# Altium PCB PCB1.PcbDoc (part 2 of 2)
Units mil, origin at the board's own origin, x right, y up, seen from the top; angles counter-clockwise.
Board outline 2012 x 1904 mil, 2 copper layers (Top Layer, Bottom Layer); 232 components, 45 nets, 892 pads, 160 vias.
Unrouted connection lines stored in the file: 3.
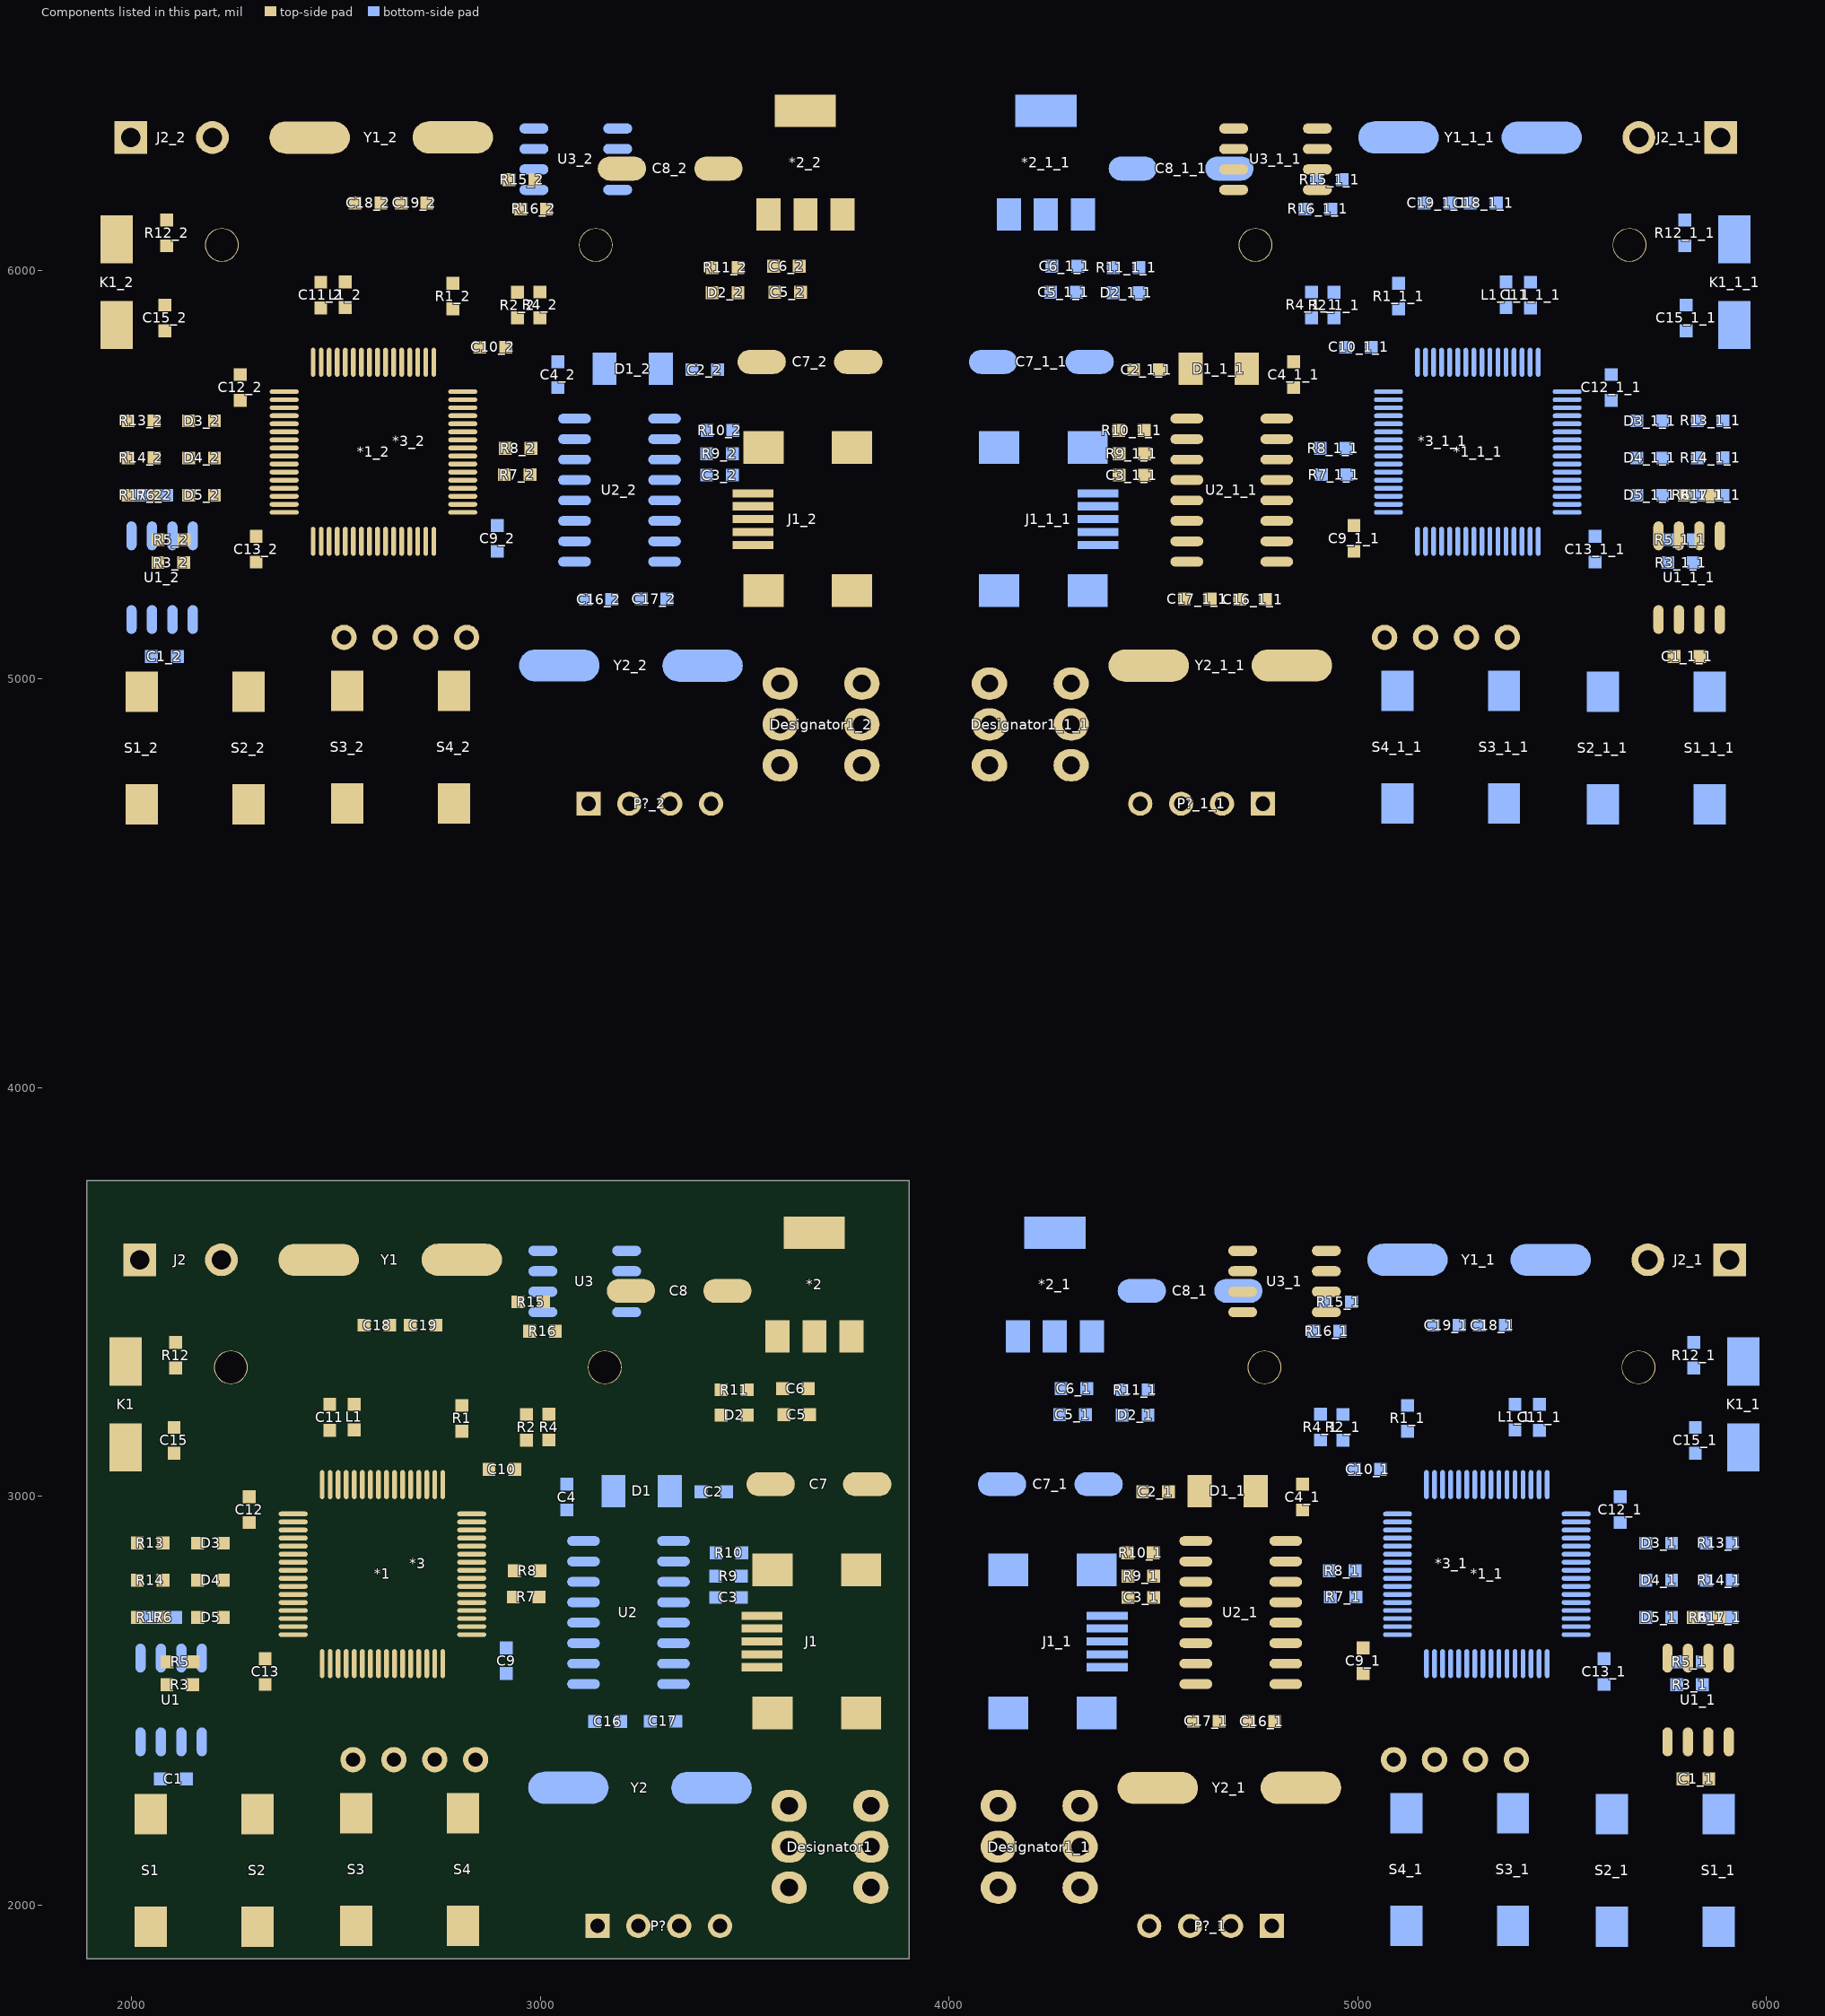
[diagram p2: the components of this part, seen from the top]

## Via types
v1: diameter 39.37, hole 17.72, Top Layer to Bottom Layer, 152 vias
v2: diameter 50, hole 19.68, Top Layer to Bottom Layer, 8 vias

## Nets (pads, with @x,y where several pads share a name; then routed paths per layer and width w, separated by ;. In a path a pad name is that pad's centre, name@x,y a point inside that pad or via, vN(x,y) a via of type N, cw(c..) or ccw(c..) an arc to the next point about the centre after c; other vN are vias at no path point) (continued)
pads on no net: *1.8 *1.9 *1.10 *1.11 *1.14 *1.15 *1.16 *1.17 *1.20 *1.21 *1.22 *1.23 *1.27 *1.29 *1.30 *1.37 *1.38 *1.41 *1.50 *1.51 *1.52 *1.53 *1.54 *1.57 *1.58 *1.59 *1.61 *1.62 *1_1.1 *1_1.2 *1_1.3 *1_1.4 *1_1.5 *1_1.6 *1_1.7 *1_1.8 *1_1.9 *1_1.10 *1_1.11 *1_1.12 *1_1.13 *1_1.14 *1_1.15 *1_1.16 *1_1.17 *1_1.18 *1_1.19 *1_1.20 *1_1.21 *1_1.22 *1_1.23 *1_1.24 *1_1.25 *1_1.26 *1_1.27 *1_1.28 *1_1.29 *1_1.30 *1_1.31 *1_1.32 *1_1.33 *1_1.34 *1_1.35 *1_1.36 *1_1.37 *1_1.38 *1_1.39 *1_1.40 *1_1.41 *1_1.42 *1_1.43 *1_1.44 *1_1.45 *1_1.46 *1_1.47 *1_1.48 *1_1.49 *1_1.50 *1_1.51 *1_1.52 *1_1.53 *1_1.54 *1_1.55 *1_1.56 *1_1.57 *1_1.58 *1_1.59 *1_1.60 *1_1.61 *1_1.62 *1_1.63 *1_1.64 *1_1_1.1 *1_1_1.2 *1_1_1.3 *1_1_1.4 *1_1_1.5 *1_1_1.6 *1_1_1.7 *1_1_1.8 *1_1_1.9 *1_1_1.10 *1_1_1.11 *1_1_1.12 *1_1_1.13 *1_1_1.14 *1_1_1.15 *1_1_1.16 *1_1_1.17 *1_1_1.18 *1_1_1.19 *1_1_1.20 *1_1_1.21 *1_1_1.22 *1_1_1.23 *1_1_1.24 *1_1_1.25 *1_1_1.26 *1_1_1.27 *1_1_1.28 *1_1_1.29 *1_1_1.30 *1_1_1.31 *1_1_1.32 *1_1_1.33 *1_1_1.34 *1_1_1.35 *1_1_1.36 *1_1_1.37 *1_1_1.38 *1_1_1.39 *1_1_1.40 *1_1_1.41 *1_1_1.42 *1_1_1.43 *1_1_1.44 *1_1_1.45 *1_1_1.46 *1_1_1.47 *1_1_1.48 *1_1_1.49 *1_1_1.50 *1_1_1.51 *1_1_1.52 *1_1_1.53 *1_1_1.54 *1_1_1.55 *1_1_1.56 *1_1_1.57 *1_1_1.58 *1_1_1.59 *1_1_1.60 *1_1_1.61 *1_1_1.62 *1_1_1.63 *1_1_1.64 *1_2.1 *1_2.2 *1_2.3 *1_2.4 *1_2.5 *1_2.6 *1_2.7 *1_2.8 *1_2.9 *1_2.10 *1_2.11 *1_2.12 *1_2.13 *1_2.14 *1_2.15 *1_2.16 *1_2.17 *1_2.18 *1_2.19 *1_2.20 *1_2.21 *1_2.22 *1_2.23 *1_2.24 *1_2.25 *1_2.26 *1_2.27 *1_2.28 *1_2.29 *1_2.30 *1_2.31 *1_2.32 *1_2.33 *1_2.34 *1_2.35 *1_2.36 *1_2.37 *1_2.38 *1_2.39 *1_2.40 *1_2.41 *1_2.42 *1_2.43 *1_2.44 *1_2.45 *1_2.46 *1_2.47 *1_2.48 *1_2.49 *1_2.50 *1_2.51 *1_2.52 *1_2.53 *1_2.54 *1_2.55 *1_2.56 *1_2.57 *1_2.58 *1_2.59 *1_2.60 *1_2.61 *1_2.62 *1_2.63 *1_2.64 *2_1.1 *2_1.2 *2_1.3 *2_1_1.1 *2_1_1.2 *2_1_1.3 *2_2.1 *2_2.2 *2_2.3 *3.0 *3_1.0 *3_1.3 *3_1.4 *3_1.5 *3_1.6 *3_1_1.0 *3_1_1.3 *3_1_1.4 *3_1_1.5 *3_1_1.6 *3_2.0 *3_2.3 *3_2.4 *3_2.5 *3_2.6 C1_1.1 C1_1.2 C1_1_1.1 C1_1_1.2 C1_2.1 C1_2.2 C2_1.1 C2_1.2 C2_1_1.1 C2_1_1.2 C2_2.1 C2_2.2 C3_1.1 C3_1.2 C3_1_1.1 C3_1_1.2 C3_2.1 C3_2.2 C4_1.1 C4_1.2 C4_1_1.1 C4_1_1.2 C4_2.1 C4_2.2 C5_1.1 C5_1.2 C5_1_1.1 C5_1_1.2 C5_2.1 C5_2.2 C6_1.1 C6_1.2 C6_1_1.1 C6_1_1.2 C6_2.1 C6_2.2 C7_1.1 C7_1.2 C7_1_1.1 C7_1_1.2 C7_2.1 C7_2.2 C8_1.1 C8_1.2 C8_1_1.1 C8_1_1.2 C8_2.1 C8_2.2 C9_1.1 C9_1.2 C9_1_1.1 C9_1_1.2 C9_2.1 C9_2.2 C10_1.1 C10_1.2 C10_1_1.1 C10_1_1.2 C10_2.1 C10_2.2 C11_1.1 C11_1.2 C11_1_1.1 C11_1_1.2 C11_2.1 C11_2.2 C12_1.1 C12_1.2 C12_1_1.1 C12_1_1.2 C12_2.1 C12_2.2 C13_1.1 C13_1.2 C13_1_1.1 C13_1_1.2 C13_2.1 C13_2.2 C15_1.1 C15_1.2 C15_1_1.1 C15_1_1.2 C15_2.1 C15_2.2 C16_1.1 C16_1.2 C16_1_1.1 C16_1_1.2 C16_2.1 C16_2.2 C17_1.1 C17_1.2 C17_1_1.1 C17_1_1.2 C17_2.1 C17_2.2 C18_1.1 C18_1.2 C18_1_1.1 C18_1_1.2 C18_2.1 C18_2.2 C19_1.1 C19_1.2 C19_1_1.1 C19_1_1.2 C19_2.1 C19_2.2 D1_1.1 D1_1.2 D1_1_1.1 D1_1_1.2 D1_2.1 D1_2.2 D2_1.1 D2_1.2 D2_1_1.1 D2_1_1.2 D2_2.1 D2_2.2 D3_1.1 D3_1.2 D3_1_1.1 D3_1_1.2 D3_2.1 D3_2.2 D4_1.1 D4_1.2 D4_1_1.1 D4_1_1.2 D4_2.1 D4_2.2 D5_1.1 D5_1.2 D5_1_1.1 D5_1_1.2 D5_2.1 D5_2.2 Designator1.3 Designator1.4 Designator1.5 Designator1.6 Designator1_1.1 Designator1_1.2 Designator1_1.3 Designator1_1.4 Designator1_1.5 Designator1_1.6 Designator1_1_1.1 Designator1_1_1.2 Designator1_1_1.3 Designator1_1_1.4 Designator1_1_1.5 Designator1_1_1.6 Designator1_2.1 Designator1_2.2 Designator1_2.3 Designator1_2.4 Designator1_2.5 Designator1_2.6 J1.4 J1.7 J1.8 J1.9 J1_1.1 J1_1.2 J1_1.3 J1_1.4 J1_1.5 J1_1.6 J1_1.7 J1_1.8 J1_1.9 J1_1_1.1 J1_1_1.2 J1_1_1.3 J1_1_1.4 J1_1_1.5 J1_1_1.6 J1_1_1.7 J1_1_1.8 J1_1_1.9 J1_2.1 J1_2.2 J1_2.3 J1_2.4 J1_2.5 J1_2.6 J1_2.7 J1_2.8 J1_2.9 J2_1.1 J2_1.2 J2_1_1.1 J2_1_1.2 J2_2.1 J2_2.2 K1_1.1 K1_1.2 K1_1_1.1 K1_1_1.2 K1_2.1 K1_2.2 L1_1.1 L1_1.2 L1_1_1.1 L1_1_1.2 L1_2.1 L1_2.2 P?_1.1 P?_1.2 P?_1.3 P?_1.4 P?_1_1.1 P?_1_1.2 P?_1_1.3 P?_1_1.4 P?_2.1 P?_2.2 P?_2.3 P?_2.4 R1_1.1 R1_1.2 R1_1_1.1 R1_1_1.2 R1_2.1 R1_2.2 R2_1.1 R2_1.2 R2_1_1.1 R2_1_1.2 R2_2.1 R2_2.2 R3_1.1 R3_1.2 R3_1_1.1 R3_1_1.2 R3_2.1 R3_2.2 R4_1.1 R4_1.2 R4_1_1.1 R4_1_1.2 R4_2.1 R4_2.2 R5_1.1 R5_1.2 R5_1_1.1 R5_1_1.2 R5_2.1 R5_2.2 R6_1.1 R6_1.2 R6_1_1.1 R6_1_1.2 R6_2.1 R6_2.2 R7_1.1 R7_1.2 R7_1_1.1 R7_1_1.2 R7_2.1 R7_2.2 R8_1.1 R8_1.2 R8_1_1.1 R8_1_1.2 R8_2.1 R8_2.2 R9_1.1 R9_1.2 R9_1_1.1 R9_1_1.2 R9_2.1 R9_2.2 R10_1.1 R10_1.2 R10_1_1.1 R10_1_1.2 R10_2.1 R10_2.2 R11_1.1 R11_1.2 R11_1_1.1 R11_1_1.2 R11_2.1 R11_2.2 R12_1.1 R12_1.2 R12_1_1.1 R12_1_1.2 R12_2.1 R12_2.2 R13_1.1 R13_1.2 R13_1_1.1 R13_1_1.2 R13_2.1 R13_2.2 R14_1.1 R14_1.2 R14_1_1.1 R14_1_1.2 R14_2.1 R14_2.2 R15_1.1 R15_1.2 R15_1_1.1 R15_1_1.2 R15_2.1 R15_2.2 R16_1.1 R16_1.2 R16_1_1.1 R16_1_1.2 R16_2.1 R16_2.2 R17_1.1 R17_1.2 R17_1_1.1 R17_1_1.2 R17_2.1 R17_2.2 S1_1.1 S1_1.2 S1_1_1.1 S1_1_1.2 S1_2.1 S1_2.2 S2_1.1 S2_1.2 S2_1_1.1 S2_1_1.2 S2_2.1 S2_2.2 S3_1.1 S3_1.2 S3_1_1.1 S3_1_1.2 S3_2.1 S3_2.2 S4_1.1 S4_1.2 S4_1_1.1 S4_1_1.2 S4_2.1 S4_2.2 U1.5 U1_1.1 U1_1.2 U1_1.3 U1_1.4 U1_1.5 U1_1.6 U1_1.7 U1_1.8 U1_1_1.1 U1_1_1.2 U1_1_1.3 U1_1_1.4 U1_1_1.5 U1_1_1.6 U1_1_1.7 U1_1_1.8 U1_2.1 U1_2.2 U1_2.3 U1_2.4 U1_2.5 U1_2.6 U1_2.7 U1_2.8 U2.9 U2.10 U2.11 U2.12 U2.15 U2_1.1 U2_1.2 U2_1.3 U2_1.4 U2_1.5 U2_1.6 U2_1.7 U2_1.8 U2_1.9 U2_1.10 U2_1.11 U2_1.12 U2_1.13 U2_1.14 U2_1.15 U2_1.16 U2_1_1.1 U2_1_1.2 U2_1_1.3 U2_1_1.4 U2_1_1.5 U2_1_1.6 U2_1_1.7 U2_1_1.8 U2_1_1.9 U2_1_1.10 U2_1_1.11 U2_1_1.12 U2_1_1.13 U2_1_1.14 U2_1_1.15 U2_1_1.16 U2_2.1 U2_2.2 U2_2.3 U2_2.4 U2_2.5 U2_2.6 U2_2.7 U2_2.8 U2_2.9 U2_2.10 U2_2.11 U2_2.12 U2_2.13 U2_2.14 U2_2.15 U2_2.16 U3_1.1 U3_1.2 U3_1.3 U3_1.4 U3_1.5 U3_1.6 U3_1.7 U3_1.8 U3_1_1.1 U3_1_1.2 U3_1_1.3 U3_1_1.4 U3_1_1.5 U3_1_1.6 U3_1_1.7 U3_1_1.8 U3_2.1 U3_2.2 U3_2.3 U3_2.4 U3_2.5 U3_2.6 U3_2.7 U3_2.8 Y1_1.1 Y1_1.2 Y1_1_1.1 Y1_1_1.2 Y1_2.1 Y1_2.2 Y2_1.1 Y2_1.2 Y2_1_1.1 Y2_1_1.2 Y2_2.1 Y2_2.2
copper on no net: | length 129779.4
  Top Layer w0: 4581.4,5436.4 4582,5437 ; 4603.4,2690.4 4604,2691
  Top Layer w10: 5836,5145.64 5836.99,5144.65 ; 5858,2399.64 5858.99,2398.65
  Top Layer w12: 2025,4969 2146,4969 2226,5049 2313,5049 2389,5125 2389,5179.54 2444.36,5234.9 2444.36,5337 ; 2062.01,5352 2109.01,5399 2208,5399 2295.6,5486.6 2373.5,5486.6 ; 2092,6007 2227,6007 2230,6010 2601,6010 2621.53,5989.47 2621.53,5775 ; 2127.5,5285 2203,5285 v1(2207,5289) 2302.01,5289 2305,5286.01 2373.5,5354.5 2373.5,5407.86 ; 2128.5,5341 2297,5341 2305,5349 2298,5356 2298,5413 2312.55,5427.55 2373.5,5427.55 ; 2202.99,5449.8 2279.16,5525.97 2373.5,5525.97 ; 2202.99,5540.8 2207.85,5545.66 2373.5,5545.66 ; 2202.99,5631.8 2269.45,5565.34 2373.5,5565.34 ; 2254,5347 v1(2254,5376) ; v1(2264,5785) 2266,5783 2266,5744.99 2266,5742 2324.55,5683.45 2373.5,5683.45 ; 2266,5682 2284.23,5663.77 2373.5,5663.77 ; 2286,4969 2411,5094 2411,5170.43 2461.73,5221.16 ; 2463,5908.01 2503.42,5867.59 2503.42,5775 ; 2464.05,5224.05 2464.05,5337 ; 2481.42,5209.73 2481.42,5207.42 2433,5159 2433,5043 2505,4971 2528,4971 ; 2483.73,5209.73 2483.73,5337 ; 2503.42,5337 2503.42,5189.42 2458,5144 2458,5057 2470,5045 2715,5045 2789,4971 ; 2520,5102 2562.47,5144.47 2562.47,5337 ; 2522.5,5971 2523.2,5971.7 ; 2523.1,5775 2523.1,5908.61 2523.2,5908.7 ; 2547.01,6165 2641.21,6070.8 2641.21,5775 ; 2582.16,5337 2582.16,5139.84 2620,5102 ; 2621.53,5337 2621.53,5177.47 2641,5158 2894,5158 3280,5544 v1(3365,5544) ; 2641.21,5337 2641.21,5189.79 2652,5179 2887,5179 3337,5629 v1(3337,5687) ; 2660.9,5337 2660.9,5232.1 2675,5218 v1(2676,5218) ; 2660.9,5775 2660.9,6057.9 2723,6120 2723,6165 ; 2680.58,5337 2680.58,5274.42 2728,5227 v1(2728,5217) ; 2680.58,5775 2680.58,6047.58 2857,6224 v1(2857,6241) ; 2700.27,5337 2700.27,5278.73 2722,5257 2756,5257 v1@2798.5,5214.5 ; 2700.27,5775 2700.27,6013.27 v1(2881,6194) 2909,6222 2923.5,6222 ; 2719.95,5337 2719.95,5285.05 2730,5275 v1@2827,5275 ; 2719.95,5775 2719.95,5979.95 2887,6147 v1(2908,6147) 2911,6150 2952.01,6150 ; 2739.64,5337 2739.64,5307.36 2746,5301 2811,5301 v1@2830,5320 ; 2739.64,5775 2739.64,5864.64 2778,5903 ; 2810.5,5407.86 2829.14,5407.86 2874,5363 2874,5229 2861,5216 v1(2859,5218) ; 2810.5,5525.97 2859.03,5525.97 2889,5496 2906,5496 ; 2810.5,5545.66 2897.66,5545.66 2905.44,5553.44 ; 2810.5,5624.4 2959.4,5624.4 2998.5,5663.5 2998.5,5883.5 ; 2810.5,5683.45 2899.95,5683.45 2907.5,5691 2907.5,5815 ; 2810.5,5703.14 2856.64,5703.14 2871,5717.5 2871,5798 2861,5808 ; 2986.5,6222 2986.5,6178.5 3015,6150 ; 4568,4695 4568,4756 4776,4964 4938,4964 4982,5008 4982,5173 v1(5027,5218) ; 4590,1949 4590,2010 4798,2218 4960,2218 5004,2262 5004,2427 v1(5049,2472) ; 4668,4695 4668,4760 4852,4944 4953,4944 5007,4998 5007,5124 v1(5101,5218) ; 4690,1949 4690,2014 4874,2198 4975,2198 5029,2252 5029,2378 v1(5123,2472) ; 4802,5487 v1@4875,5487 ; 4802,5537 4860,5537 v1@4870,5547 ; 4824,2741 v1@4897,2741 ; 4824,2791 4882,2791 v1@4892,2801 ; 4901.36,6197 4951,6197 4978,6170 v1(4978,6147) ; 4901.36,6247 4962,6247 5005,6204 v1(5005,6194) ; 4901.36,6297 4982,6297 v1@5033.5,6245.5 ; 4923.36,3451 4973,3451 5000,3424 v1(5000,3401) ; 4923.36,3501 4984,3501 5027,3458 v1(5027,3448) ; 4923.36,3551 5004,3551 v1@5055.5,3499.5 ; 4991,5375.5 5039.5,5327 v1(5050,5327) ; 5013,2629.5 5061.5,2581 v1(5072,2581) ; v1(5158,5217) 5192,5183 5727,5183 5736,5174 5736,5145.64 ; v1(5180,2471) 5214,2437 5749,2437 5758,2428 5758,2399.64 ; v1(5210,5218) 5859,5218 5886,5191 5886,5145.64 ; v1(5232,2472) 5881,2472 5908,2445 5908,2399.64
  Top Layer w20: 1964,6076 2036.5,6003.5 2084,6003.5 2084,5990 ; 2054.99,5449.7 2139.9,5449.7 2140,5449.8 ; 2054.99,5541 2139.8,5541 2140,5540.8 ; 2054.99,5632 2139.8,5632 2140,5631.8 ; 2061.01,5298 2062.01,5299 2062.01,5352 ; 2082,5723 2083,5724 ; 2082,5914.99 2084,5916.99 2084,5990 ; 2086,6060.01 2086,5992 2084,5990 ; v1(2399,5963) 2407,5971 2463,5971 2522.5,5971 ; 2435.8,6324.83 2547.01,6213.63 2547.01,6165 ; 2723,6165 2723,6261.97 2786.2,6325.17 ; 2850,5968.5 2852.5,5965.99 2852.5,5816 ; 2944.2,5883.5 2998.5,5883.5 ; v1(3097,5707) 3130,5740 3409,5740 v1(3447,5702) ; v1(3385.5,5439.3) 3396.72,5439.3 3444.83,5391.2 3520.87,5391.2 ; v1(3385.6,5380.4) 3399.5,5380.4 3420.2,5359.7 3520.87,5359.7 ; 3406,5272 3406,5318 3560,5318 ; 3637,5946 3642.45,5951.45 3739.55,5951.45 3739.55,6137.23 ; 3680,5377 3680,5728 3725,5773 3816.11,5773 ; 3745,5946 3764,5946 ; v1(4205,5638) 4269,5702 v1(4439,5702) ; v1(4227,2892) 4291,2956 v1(4461,2956) ; 4416,5551 4415,5552 4415,5608 4415,5668 4452,5705 4452,5757 ; 4438,2805 4437,2806 4437,2862 4437,2922 4474,2959 4474,3011 ; 4477.99,5608 4477.99,5661.79 4500.6,5684.4 v1@4549,5684.4 ; 4479,5499 4518.5,5499 4530.5,5487 4582,5487 ; 4478.99,5551 v1@4502.8,5551 ; 4488.8,5032.83 4576,5120.03 4576,5196 4576,5281 4582,5287 ; v1@4491.6,5437 4582,5437 ; 4499.99,2862 4499.99,2915.79 4522.6,2938.4 v1@4571,2938.4 ; v1(4500.4,5380.4) 4499.7,5380.4 4493.1,5387 4582,5387 ; 4501,2753 4540.5,2753 4552.5,2741 4604,2741 ; 4500.99,2805 v1@4524.8,2805 ; 4510.8,2286.83 4598,2374.03 4598,2450 4598,2535 4604,2541 ; v1@4513.6,2691 4604,2691 ; v1@4517,5537 4582,5537 ; v1(4522.4,2634.4) 4521.7,2634.4 4515.1,2641 4604,2641 ; v1@4539,2791 4604,2791 ; v1@4560.4,5684.4 4592,5716 4592,5762 ; 4582,5337 4656.1,5337 4774.5,5218.6 4774.5,5195 4774.5,5097.87 4839.2,5033.17 ; 4582,5587 4642.7,5587 4728,5672.3 4728,5750 ; v1@4582.4,2938.4 4614,2970 4614,3016 ; 4604,2591 4678.1,2591 4796.5,2472.6 4796.5,2449 4796.5,2351.87 4861.2,2287.17 ; 4604,2841 4664.7,2841 4750,2926.3 4750,3004 ; v1@4797.01,5713.01 4843,5713.01 ; 4802,5637 4843,5678 4843,5711 ; v1@4819.01,2967.01 4865,2967.01 ; 4824,2891 4865,2932 4865,2965 ; 4991,5375.5 4991,5439 5035,5483 v1(5035,5863) ; 5013,2629.5 5013,2693 5057,2737 v1(5057,3117) ; 5688,6325 5799.51,6213.49 5799.51,5449.7 5799.51,5415.51 5786,5402 5786,5350.36 ; 5710,3579 5821.51,3467.49 5821.51,2703.7 5821.51,2669.51 5808,2656 5808,2604.36 ; 5774,5055 5786,5067 5786,5145.64 ; 5796,2309 5808,2321 5808,2399.64 ; 5836,5350.36 5836,5399 5862.5,5425.5 5862.5,5449.7 5838,5474.2 5838,6275 5888,6325 ; 5836.99,5055 5836.99,5144.65 ; 5858,2604.36 5858,2653 5884.5,2679.5 5884.5,2703.7 5860,2728.2 5860,3529 5910,3579 ; 5858.99,2309 5858.99,2398.65
  Top Layer w25: v1(2397,5906) 2460.99,5906 2463,5908.01 ; v1(2633,6400) 2634,6399 2634,6165 ; v1@2723,4854 3320,4854 3417,4854 ; 2975,5500 3004,5500 v1(3009,5495) ; 2977.5,5564 v1(3012,5564) ; 2999,5946.99 3030.01,5946.99 v1(3071,5906) ; 3015,6150 v1(3102,6150) ; 3190.89,6248 3207,6248 3223,6232 ; 3223,6252 3272,6203 3272,6137.23 ; v1(3371,5796) 3365,5802 3365,5850 ; 3421.01,5945 3421.01,6007 ; 3427.11,6248 3618,6248 3649,6217 3649,6137.23 3634,6122.23 3634,6061 ; 3484,5945 3573.01,5945 3574.01,5946 ; 3484,6007 3484,6046 3498,6060 3633,6060 3634,6061 ; 3520.87,5454.19 3608.19,5454.19 3625,5471 3625,5727.89 3579.89,5773 ; 3546.46,5566.39 3579.89,5599.82 v1@3579.89,5637.99 ; 3558.45,6137.23 3308,6137.23 ; 3571.01,6010 3571.01,5949 3574.01,5946 ; v1(3578.9,5637) v1@3579.89,5637.99 ; 3587,4988 3595,4988 ; v1@3591.6,5649.7 v1@3579.89,5637.99 ; 3634,6010 3634,6061 ; 3646.8,5328.2 3653,5322 ; v1(4307.1,5637) 4307.1,5509.7 4317.8,5499 4416.01,5499 ; v1(4329.1,2891) 4329.1,2763.7 4339.8,2753 4438.01,2753 ; 4468,4695 4468,4790 4674,4996 v1(4674,5195) ; 4490,1949 4490,2044 4696,2250 v1(4696,2449) ; 4570,6152 4572,6150 v1(4784,6150) 4784,6289 4842,6347 4901.36,6347 ; 4582,5637 4619,5637 4661,5679 4661,5904 4659,5906 ; 4592,3406 4594,3404 v1(4806,3404) 4806,3543 4864,3601 4923.36,3601 ; 4604,2891 4641,2891 4683,2933 4683,3158 4681,3160 ; 4638.99,5196 4639.99,5195 v1(4674,5195) ; 4660.99,2450 4661.99,2449 v1(4696,2449) ; 4696.64,6197 4696.64,6247 4696.64,6297 4696.64,6347 4696.64,6398.36 ; 4711.5,5195 v1(4674,5195) ; 4718.64,3451 4718.64,3501 4718.64,3551 4718.64,3601 4718.64,3652.36 ; 4733.5,2449 v1(4696,2449) ; v1@5161,4853 5779,4853 5836.99,4910.99 5836.99,5055 ; v1@5183,2107 5801,2107 5858.99,2164.99 5858.99,2309 ; 3272,6137.23 3271.77,6137.23 3272,6137 3272,6137.23 ; 3272,6137.23 3308,6137.23 ; 3308,6137.23 3308,5907 3365,5850 ; 3365,5850 3579.89,5850 ; 3574.01,5946 3579.89,5940.12 3579.89,5850 ; v1@3579.89,5637.99 3579.89,5773 ; 3579.89,5773 3579.89,5850
  Top Layer w30: 1964,5866 2068,5866 2082,5852 2149,5785 v1(2264,5785) ; 1992,5449.7 1992,5541 1992,5632 1992,5695 v1(2006,5709) 2020,5723 2082,5723 v1(2205,5723) 2225,5723 2266,5682 ; 2025,4693.41 2286,4693.41 2654,4693.41 ; 2086,6123 2400,6123 v1(2402,6121) ; 2786,5968.5 2850,5968.5 v1(2895.5,5965.5) 2922.2,5968.5 2944.2,5946.5 ; 2789,4695.41 2787,4693.41 2663,4693.41 2663,4884 2670,4891 2946,4891 2995,4940 2995,5170 v1(2998,5173) 3190,5173 v1(3212,5195) ; v1(2898,5907) 2898,5833.5 2915.5,5816 ; v2(4397,6140) 4465,6140 4521,6084 4521,5968 4583,5906 4659,5906 v1(4815,5906) 4837,5906 ; v2(4397,6252) 4491,6252 4570,6173 4570,6152 4570,6005 4611,5964 4615.5,5968.5 v1(4990.5,5965.5) v1@5484.9,5965.1 ; v2(4419,3394) 4487,3394 4543,3338 4543,3222 4605,3160 4681,3160 v1(4837,3160) 4859,3160 ; v2(4419,3506) 4513,3506 4592,3427 4592,3406 4592,3259 4633,3218 4637.5,3222.5 v1(5012.5,3219.5) v1@5506.9,3219.1 ; 4515,5757.01 v1(4515,5796) ; 4537,3011.01 v1(4537,3050) ; 4768,4695 4823,4750 5066,4750 ; 4790,1949 4845,2004 5088,2004 ; 4843,5776 4843,5900 4837,5906 ; 4865,3030 4865,3154 4859,3160 ; v1(4888,5173) 4924,5209 4924,5268 ; v1(4910,2427) 4946,2463 4946,2522 ; 4991,5312.5 4991,5269 4992,5268 ; 5013,2566.5 5013,2523 5014,2522 ; v1(5048,5268) 4992,5268 ; 5066,5102 5066,4750 ; v1(5070,2522) 5014,2522 ; 5088,2356 5088,2004 ; 5166,5102 5225,5043 5225,4906 v1(5218,4899) v1@5219,4898 ; 5188,2356 5247,2297 5247,2160 v1(5240,2153) v1@5241,2152 ; v1(5484,6121) 5484,5966 v1@5484.9,5965.1 ; v1(5487,5963) v1@5484.9,5965.1 ; v1(5506,3375) 5506,3220 v1@5506.9,3219.1 ; v1(5509,3217) v1@5506.9,3219.1 ; v1@5634,5369 5634,5896 5624,5906 v1(5489,5906) 4920,5906 ; v1@5656,2623 5656,3150 5646,3160 v1(5511,3160) 4942,3160 ; v1(5679,5289) 5679,5944 5657.98,5965.02 5657.63,5964.96 5487,5965.1 v1@5484.9,5965.1 ; v1(5701,2543) 5701,3198 5679.98,3219.02 5679.63,3218.96 5509,3219.1 v1@5506.9,3219.1 ; v1(5880,5709) 5938,5651 5938,4800 5888,4750 5066,4750 ; v1(5902,2963) 5960,2905 5960,2054 5910,2004 5088,2004 ; 4837,5906 4920,5906 ; 4859,3160 4942,3160 ; 4920,5906 4920,5264 4924,5268 ; 4924,5268 4992,5268 ; 4942,3160 4942,2518 4946,2522 ; 4946,2522 5014,2522
  Top Layer w50: 3406,5272 3406,5089 3507,4988 3587,4988 ; 3417,4854 3452,4889 3587,4889 3680,4889 3680,5084 3653,5111 3653,5322
  Bottom Layer w0: 3304,5437 3304.6,5436.4
  Bottom Layer w10: 2049.01,5144.65 2050,5145.64
  Bottom Layer w12: 2000,5145.64 2000,5191 2027,5218 v1(2676,5218) ; 2150,5145.64 2150,5174 2159,5183 2694,5183 v1(2728,5217) ; v1(2785,5218) 2879,5124 2879,4998 2933,4944 3034,4944 3218,4760 3218,4695 ; v1(2836,5327) 2846.5,5327 2895,5375.5 ; v1@2852.5,6245.5 2904,6297 2984.64,6297 ; v1(2859,5218) 2904,5173 2904,5008 2948,4964 3110,4964 3318,4756 3318,4695 ; v1(2881,6194) 2881,6204 2924,6247 2984.64,6247 ; v1(2908,6147) 2908,6170 2935,6197 2984.64,6197 ; v1@3011,5487 3084,5487 ; v1@3016,5547 3026,5537 3084,5537 ; v1(4521,5544) 4606,5544 4992,5158 5245,5158 5264.47,5177.47 5264.47,5337 ; v1(4543,2798) 4628,2798 5014,2412 5267,2412 5286.47,2431.47 5286.47,2591 ; v1(4549,5687) 4549,5629 4999,5179 5234,5179 5244.79,5189.79 5244.79,5337 ; v1(4571,2941) 4571,2883 5021,2433 5256,2433 5266.79,2443.79 5266.79,2591 ; 4871,6150 4899.5,6178.5 4899.5,6222 ; 4887.5,5883.5 4887.5,5663.5 4926.6,5624.4 5075.5,5624.4 ; 4893,3404 4921.5,3432.5 4921.5,3476 ; 4909.5,3137.5 4909.5,2917.5 4948.6,2878.4 5097.5,2878.4 ; 4933.99,6150 4975,6150 v1(4978,6147) 4999,6147 5166.05,5979.95 5166.05,5775 ; 4955.99,3404 4997,3404 v1(5000,3401) 5021,3401 5188.05,3233.95 5188.05,3029 ; 4962.5,6222 4977,6222 v1(5005,6194) 5185.73,6013.27 5185.73,5775 ; 4978.5,5815 4978.5,5691 4986.05,5683.45 5075.5,5683.45 ; 4980,5496 4997,5496 5026.97,5525.97 5075.5,5525.97 ; 4980.56,5553.44 4988.34,5545.66 5075.5,5545.66 ; 4984.5,3476 4999,3476 v1(5027,3448) 5207.73,3267.27 5207.73,3029 ; 5000.5,3069 5000.5,2945 5008.05,2937.45 5097.5,2937.45 ; 5002,2750 5019,2750 5048.97,2779.97 5097.5,2779.97 ; 5002.56,2807.44 5010.34,2799.66 5097.5,2799.66 ; 5025,5808 5015,5798 5015,5717.5 5029.36,5703.14 5075.5,5703.14 ; v1(5027,5218) 5025,5216 5012,5229 5012,5363 5056.86,5407.86 5075.5,5407.86 ; v1(5029,6241) 5029,6224 5205.42,6047.58 5205.42,5775 ; 5047,3062 5037,3052 5037,2971.5 5051.36,2957.14 5097.5,2957.14 ; v1(5049,2472) 5047,2470 5034,2483 5034,2617 5078.86,2661.86 5097.5,2661.86 ; v1(5051,3495) 5051,3478 5227.42,3301.58 5227.42,3029 ; v1@5056,5320 5075,5301 5140,5301 5146.36,5307.36 5146.36,5337 ; v1@5059,5275 5156,5275 5166.05,5285.05 5166.05,5337 ; v1@5078,2574 5097,2555 5162,2555 5168.36,2561.36 5168.36,2591 ; v1@5081,2529 5178,2529 5188.05,2539.05 5188.05,2591 ; v1@5087.5,5214.5 5130,5257 5164,5257 5185.73,5278.73 5185.73,5337 ; 5097,4971 5171,5045 5416,5045 5428,5057 5428,5144 5382.58,5189.42 5382.58,5337 ; 5108,5903 5146.36,5864.64 5146.36,5775 ; v1@5109.5,2468.5 5152,2511 5186,2511 5207.73,2532.73 5207.73,2591 ; 5119,2225 5193,2299 5438,2299 5450,2311 5450,2398 5404.58,2443.42 5404.58,2591 ; 5130,3157 5168.36,3118.64 5168.36,3029 ; v1(5158,5217) 5158,5227 5205.42,5274.42 5205.42,5337 ; 5163,6165 5163,6120 5225.1,6057.9 5225.1,5775 ; v1(5180,2471) 5180,2481 5227.42,2528.42 5227.42,2591 ; 5185,3419 5185,3374 5247.1,3311.9 5247.1,3029 ; v1(5210,5218) 5211,5218 5225.1,5232.1 5225.1,5337 ; v1(5232,2472) 5233,2472 5247.1,2486.1 5247.1,2591 ; 5244.79,5775 5244.79,6070.8 5338.99,6165 ; 5264.47,5775 5264.47,5989.47 5285,6010 5656,6010 5659,6007 5794,6007 ; 5266,5102 5303.84,5139.84 5303.84,5337 ; 5266.79,3029 5266.79,3324.8 5360.99,3419 ; 5286.47,3029 5286.47,3243.47 5307,3264 5678,3264 5681,3261 5816,3261 ; 5288,2356 5325.84,2393.84 5325.84,2591 ; 5323.53,5337 5323.53,5144.47 5366,5102 ; 5345.53,2591 5345.53,2398.47 5388,2356 ; 5358,4971 5381,4971 5453,5043 5453,5159 5404.58,5207.42 5404.58,5209.73 ; 5362.8,5908.7 5362.9,5908.61 5362.9,5775 ; 5362.8,5971.7 5363.5,5971 ; 5380,2225 5403,2225 5475,2297 5475,2413 5426.58,2461.42 5426.58,2463.73 ; 5382.58,5775 5382.58,5867.59 5423,5908.01 ; 5384.8,3162.7 5384.9,3162.61 5384.9,3029 ; 5384.8,3225.7 5385.5,3225 ; 5402.27,5209.73 5402.27,5337 ; 5404.58,3029 5404.58,3121.59 5445,3162.01 ; 5421.95,5224.05 5421.95,5337 ; 5424.27,2463.73 5424.27,2591 ; 5424.27,5221.16 5475,5170.43 5475,5094 5600,4969 ; 5441.64,5337 5441.64,5234.9 5497,5179.54 5497,5125 5573,5049 5660,5049 5740,4969 5861,4969 ; 5443.95,2478.05 5443.95,2591 ; 5446.27,2475.16 5497,2424.43 5497,2348 5622,2223 ; 5463.64,2591 5463.64,2488.9 5519,2433.54 5519,2379 5595,2303 5682,2303 5762,2223 5883,2223 ; 5512.5,5407.86 5512.5,5354.5 5581,5286.01 5583.99,5289 v1(5679,5289) 5683,5285 5758.5,5285 ; 5512.5,5427.55 5573.45,5427.55 5588,5413 5588,5356 5581,5349 5589,5341 5757.5,5341 ; 5512.5,5486.6 5590.4,5486.6 5678,5399 5776.99,5399 5823.99,5352 ; 5512.5,5525.97 5606.84,5525.97 5683.01,5449.8 ; 5512.5,5545.66 5678.15,5545.66 5683.01,5540.8 ; 5512.5,5565.34 5616.55,5565.34 5683.01,5631.8 ; 5512.5,5663.77 5601.77,5663.77 5620,5682 ; 5512.5,5683.45 5561.45,5683.45 5620,5742 5620,5744.99 5620,5783 v1(5622,5785) ; 5534.5,2661.86 5534.5,2608.5 5603,2540.01 5605.99,2543 v1(5701,2543) 5705,2539 5780.5,2539 ; 5534.5,2681.55 5595.45,2681.55 5610,2667 5610,2610 5603,2603 5611,2595 5779.5,2595 ; 5534.5,2740.6 5612.4,2740.6 5700,2653 5798.99,2653 5845.99,2606 ; 5534.5,2779.97 5628.84,2779.97 5705.01,2703.8 ; 5534.5,2799.66 5700.15,2799.66 5705.01,2794.8 ; 5534.5,2819.34 5638.55,2819.34 5705.01,2885.8 ; 5534.5,2917.77 5623.77,2917.77 5642,2936 ; 5534.5,2937.45 5583.45,2937.45 5642,2996 5642,2998.99 5642,3037 v1(5644,3039) ; 5632,5347 v1(5632,5376) ; 5654,2601 v1(5654,2630)
  Bottom Layer w20: 1998,6325 2048,6275 2048,5474.2 2023.5,5449.7 2023.5,5425.5 2050,5399 2050,5350.36 ; 2049.01,5055 2049.01,5144.65 ; 2100,5145.64 2100,5067 2112,5055 ; 2100,5350.36 2100,5402 2086.49,5415.51 2086.49,5449.7 2086.49,6213.49 2198,6325 ; v1(2851,5863) 2851,5483 2895,5439 2895,5375.5 ; 3043,5711 3043,5678 3084,5637 ; 3043,5713.01 v1@3088.99,5713.01 ; 3046.8,5033.17 3111.5,5097.87 3111.5,5195 3111.5,5218.6 3229.9,5337 3304,5337 ; 3158,5750 3158,5672.3 3243.3,5587 3304,5587 ; 3294,5762 3294,5716 v1@3325.6,5684.4 ; 3304,5287 3310,5281 3310,5196 3310,5120.03 3397.2,5032.83 ; 3304,5387 3392.9,5387 3386.3,5380.4 v1(3385.6,5380.4) ; 3304,5437 v1@3394.4,5437 ; 3304,5487 3355.5,5487 3367.5,5499 3407,5499 ; 3304,5537 v1@3369,5537 ; v1@3337,5684.4 3385.4,5684.4 3408.01,5661.79 3408.01,5608 ; v1@3383.2,5551 3407.01,5551 ; 3434,5757 3434,5705 3471,5668 3471,5608 3471,5552 3470,5551 ; v1(3447,5702) 3617,5702 v1(3681,5638) ; 4069.89,5773 4161,5773 4206,5728 4206,5377 ; 4091.89,3027 4183,3027 4228,2982 4228,2631 ; 4122,5946 4141,5946 ; 4144,3200 4163,3200 ; 4146.45,6137.23 4146.45,5951.45 4243.55,5951.45 4249,5946 ; 4168.45,3391.23 4168.45,3205.45 4265.55,3205.45 4271,3200 ; 4326,5318 4480,5318 4480,5272 ; 4348,2572 4502,2572 4502,2526 ; 4365.13,5359.7 4465.8,5359.7 4486.5,5380.4 v1(4500.4,5380.4) ; 4365.13,5391.2 4441.17,5391.2 4489.28,5439.3 v1(4500.5,5439.3) ; 4387.13,2613.7 4487.8,2613.7 4508.5,2634.4 v1(4522.4,2634.4) ; 4387.13,2645.2 4463.17,2645.2 4511.28,2693.3 v1(4522.5,2693.3) ; v1(4439,5702) 4477,5740 4756,5740 v1(4789,5707) ; v1(4461,2956) 4499,2994 4778,2994 v1(4811,2961) ; 4887.5,5883.5 4941.8,5883.5 ; 4909.5,3137.5 4963.8,3137.5 ; 5033.5,5816 5033.5,5965.99 5036,5968.5 ; 5055.5,3070 5055.5,3219.99 5058,3222.5 ; 5099.8,6325.17 5163,6261.97 5163,6165 ; 5121.8,3579.17 5185,3515.97 5185,3419 ; 5338.99,6165 5338.99,6213.63 5450.2,6324.83 ; 5360.99,3419 5360.99,3467.63 5472.2,3578.83 ; 5363.5,5971 5423,5971 5479,5971 v1(5487,5963) ; 5385.5,3225 5445,3225 5501,3225 v1(5509,3217) ; 5746,5449.8 5746.1,5449.7 5831.01,5449.7 ; 5746,5540.8 5746.2,5541 5831.01,5541 ; 5746,5631.8 5746.2,5632 5831.01,5632 ; 5768,2703.8 5768.1,2703.7 5853.01,2703.7 ; 5768,2794.8 5768.2,2795 5853.01,2795 ; 5768,2885.8 5768.2,2886 5853.01,2886 ; 5800,6060.01 5800,5992 5802,5990 ; 5803,5724 5804,5723 ; 5804,5914.99 5802,5916.99 5802,5990 ; 5822,3314.01 5822,3246 5824,3244 ; 5823.99,5352 5823.99,5299 5824.99,5298 ; 5825,2978 5826,2977 ; 5826,3168.99 5824,3170.99 5824,3244 ; 5845.99,2606 5845.99,2553 5846.99,2552 ; 5922,6076 5849.5,6003.5 5802,6003.5 5802,5990 ; 5944,3330 5871.5,3257.5 5824,3257.5 5824,3244
  Bottom Layer w25: 2049.01,5055 2049.01,4910.99 2107,4853 v1@2725,4853 ; 2984.64,6347 3044,6347 3102,6289 v1(3102,6150) 3314,6150 3316,6152 ; 3174.5,5195 v1(3212,5195) ; 3189.36,6197 3189.36,6247 3189.36,6297 3189.36,6347 3189.36,6398.36 ; 3227,5906 3225,5904 3225,5679 3267,5637 3304,5637 ; 3247.01,5196 3246.01,5195 v1(3212,5195) ; 3418,4695 3418,4790 3212,4996 v1(3212,5195) ; 3469.99,5499 3568.2,5499 3578.9,5509.7 v1(3578.9,5637) ; 4233,5322 4239.2,5328.2 ; 4252,6010 4252,6061 ; 4255,2576 4261.2,2582.2 ; 4274,3264 4274,3315 ; 4291,4988 4299,4988 ; v1@4294.4,5649.7 v1@4306.11,5637.99 ; v1(4307.1,5637) v1@4306.11,5637.99 ; 4313,2242 4321,2242 ; 4314.99,6010 4314.99,5949 4311.99,5946 ; v1@4316.4,2903.7 v1@4328.11,2891.99 ; 4327.55,6137.23 4578,6137.23 ; v1(4329.1,2891) v1@4328.11,2891.99 ; 4336.99,3264 4336.99,3203 4333.99,3200 ; 4339.54,5566.39 4306.11,5599.82 v1@4306.11,5637.99 ; 4349.55,3391.23 4600,3391.23 ; 4361.54,2820.39 4328.11,2853.82 v1@4328.11,2891.99 ; 4365.13,5454.19 4277.81,5454.19 4261,5471 4261,5727.89 4306.11,5773 ; 4387.13,2708.19 4299.81,2708.19 4283,2725 4283,2981.89 4328.11,3027 ; 4402,5945 4312.99,5945 4311.99,5946 ; 4402,6007 4402,6046 4388,6060 4253,6060 4252,6061 ; 4424,3199 4334.99,3199 4333.99,3200 ; 4424,3261 4424,3300 4410,3314 4275,3314 4274,3315 ; 4458.89,6248 4268,6248 4237,6217 4237,6137.23 4252,6122.23 4252,6061 ; 4464.99,5945 4464.99,6007 ; 4469,4854 4566,4854 v1@5163,4854 ; 4480.89,3502 4290,3502 4259,3471 4259,3391.23 4274,3376.23 4274,3315 ; 4486.99,3199 4486.99,3261 ; 4491,2108 4588,2108 v1@5185,2108 ; v1(4515,5796) 4521,5802 4521,5850 ; v1(4537,3050) 4543,3056 4543,3104 ; 4663,6232 4679,6248 4695.11,6248 ; 4663,6252 4614,6203 4614,6137.23 ; 4685,3486 4701,3502 4717.11,3502 ; 4685,3506 4636,3457 4636,3391.23 ; v1(4784,6150) 4871,6150 ; v1(4806,3404) 4893,3404 ; v1(4815,5906) 4855.99,5946.99 4887,5946.99 ; v1(4837,3160) 4877.99,3200.99 4909,3200.99 ; v1(4874,5564) 4908.5,5564 ; v1(4877,5495) 4882,5500 4911,5500 ; v1(4896,2818) 4930.5,2818 ; v1(4899,2749) 4904,2754 4933,2754 ; 5252,6165 5252,6399 v1(5253,6400) ; 5274,3419 5274,3653 v1(5275,3654) ; 5423,5908.01 5425.01,5906 v1(5489,5906) ; 5445,3162.01 5447.01,3160 v1(5511,3160) ; v1@4306.11,5637.99 4306.11,5773 ; 4306.11,5773 4306.11,5850 ; 4306.11,5850 4306.11,5940.12 4311.99,5946 ; 4306.11,5850 4521,5850 ; v1@4328.11,2891.99 4328.11,3027 ; 4328.11,3027 4328.11,3104 ; 4328.11,3104 4543,3104 ; 4328.11,3104 4328.11,3194.12 4333.99,3200 ; 4521,5850 4578,5907 4578,6137.23 ; 4543,3104 4600,3161 4600,3391.23 ; 4578,6137.23 4614,6137.23 ; 4600,3391.23 4636,3391.23 ; 4614,6137.23 4614,6137 4614.23,6137.23 4614,6137.23 ; 4636,3391.23 4636.23,3391.23 4636,3391 4636,3391.23
  Bottom Layer w30: v1(2006,5709) 1948,5651 1948,4800 1998,4750 2820,4750 ; v1(2207,5289) 2207,5944 2228.02,5965.02 2228.37,5964.96 2399,5965.1 v1@2401.1,5965.1 ; v1@2252,5369 2252,5896 2262,5906 v1(2397,5906) 2966,5906 ; v1(2399,5963) v1@2401.1,5965.1 ; v1(2402,6121) 2402,5966 v1@2401.1,5965.1 ; v1@2667,4898 v1(2668,4899) 2661,4906 2661,5043 2720,5102 ; 2820,5102 2820,4750 ; v1(2838,5268) 2894,5268 ; 2895,5312.5 2895,5269 2894,5268 ; v1(2998,5173) 2962,5209 2962,5268 ; 3043,5776 3043,5900 3049,5906 ; 3118,4695 3063,4750 2820,4750 ; 3371,5757.01 v1(3371,5796) ; v2(3489,6140) 3421,6140 3365,6084 3365,5968 3303,5906 3227,5906 v1(3071,5906) 3049,5906 ; v2(3489,6252) 3395,6252 3316,6173 3316,6152 3316,6005 3275,5964 3270.5,5968.5 v1(2895.5,5965.5) v1@2401.1,5965.1 ; v1(4674,5195) 4696,5173 v1(4888,5173) 4891,5170 4891,4940 4940,4891 5216,4891 5223,4884 5223,4693.41 5099,4693.41 5097,4695.41 ; v1(4696,2449) 4718,2427 v1(4910,2427) 4913,2424 4913,2194 4962,2145 5238,2145 5245,2138 5245,1947.41 5121,1947.41 5119,1949.41 ; 4941.8,5946.5 4963.8,5968.5 v1(4990.5,5965.5) 5036,5968.5 5100,5968.5 ; 4963.8,3200.5 4985.8,3222.5 v1(5012.5,3219.5) 5058,3222.5 5122,3222.5 ; 4970.5,5816 4988,5833.5 v1(4988,5907) ; 4992.5,3070 5010,3087.5 v1(5010,3161) ; 5232,4693.41 5600,4693.41 5861,4693.41 ; 5254,1947.41 5622,1947.41 5883,1947.41 ; v1(5484,6121) 5486,6123 5800,6123 ; v1(5506,3375) 5508,3377 5822,3377 ; 5620,5682 5661,5723 v1(5681,5723) 5804,5723 5866,5723 v1(5880,5709) 5894,5695 5894,5632 5894,5541 5894,5449.7 ; v1(5622,5785) 5737,5785 5804,5852 5818,5866 5922,5866 ; 5642,2936 5683,2977 v1(5703,2977) 5826,2977 5888,2977 v1(5902,2963) 5916,2949 5916,2886 5916,2795 5916,2703.7 ; v1(5644,3039) 5759,3039 5826,3106 5840,3120 5944,3120 ; 2894,5268 2962,5268 ; 2962,5268 2966,5264 2966,5906 ; 2966,5906 3049,5906
  Bottom Layer w50: 4233,5322 4233,5111 4206,5084 4206,4889 4299,4889 4434,4889 4469,4854 ; 4255,2576 4255,2365 4228,2338 4228,2143 4321,2143 4456,2143 4491,2108 ; 4299,4988 4379,4988 4480,5089 4480,5272 ; 4321,2242 4401,2242 4502,2343 4502,2526
  other v1: 5185,2102 2723,4848 5163,4848

## Keep-outs
Top Layer:
  lines w10: 6017,4615 6017,4624 ; 6039,1869 6039,1878
Bottom Layer:
  lines w10: 1869,4615 1869,4624 ; 1891,1869 1891,1878
Keep-Out Layer:
  lines w10: 1869,4615 3881,4615 3881,6519 1869,6519 1869,4624 ; 1891,1869 3903,1869 3903,3773 1891,3773 1891,1878 ; 6017,4615 4005,4615 4005,6519 6017,6519 6017,4624 ; 6039,1869 4027,1869 4027,3773 6039,3773 6039,1878

## Other copper
Top Layer:
  region: 3711,6176 3711,6000 3677,5966 3621,5966 3621,5929 3619,5927 3621,5925 3774,5925 3774,6174 3772,6176
  region: 3621,5966 3775,5966 3775,5710 3660,5710 3660,5893 3621,5932
  region: 3598,6027 3598,5808 3597,5807 3637,5767 3637,5466 3613,5442 3471,5442 3471,5464 3477,5470 3533,5470 3533,6026 3532,6027
  region: 3660,5727.47 3660,5371 3628,5339 3629,5338 3629,5318 3660,5318 3698,5356 3698,5730
  region: 3382,6304 3627,6304 3680,6251 3680,6014 3662,5996 3619,5996 3619,6192 3596,6215 3382,6215
  region: 3595,6098 3380,6098 3347,6065 3347,5932 3368,5911 3533,5911 3533,5822 3538,5817 3537,5816 3287,5816 3236,5867 3236,6172 3236,6294 3309,6294 3309,6193 3569,6193 3595,6167
  region: 3570,5336 3404,5336 3404,5335 3381,5312 3381,5241 3407,5241 3461,5295 3567,5295 3570,5298
  region: 4445,6185 4445,6099 4290,6099 4285,6104 4285,6357 4349,6421 5273,6421 5277,6417 5277,6383 4384,6383 4338,6337 4338,6185
  region: 4467,3439 4467,3353 4312,3353 4307,3358 4307,3611 4371,3675 5295,3675 5299,3671 5299,3637 4406,3637 4360,3591 4360,3439
  region net 5V: 3592,2590 3426,2590 3426,2589 3403,2566 3403,2495 3429,2495 3483,2549 3589,2549 3592,2552
  region net GND: 3617,3352 3402,3352 3369,3319 3369,3186 3390,3165 3555,3165 3555,3076 3560,3071 3559,3070 3309,3070 3258,3121 3258,3426 3258,3548 3331,3548 3331,3447 3591,3447 3617,3421
  region net 3.3V: 3404,3558 3649,3558 3702,3505 3702,3268 3684,3250 3641,3250 3641,3446 3618,3469 3404,3469
  region net 5V: 3682,2981.47 3682,2625 3650,2593 3651,2592 3651,2572 3682,2572 3720,2610 3720,2984
  region net GND: 3620,3281 3620,3062 3619,3061 3659,3021 3659,2720 3635,2696 3493,2696 3493,2718 3499,2724 3555,2724 3555,3280 3554,3281
  region net 5V: 3643,3220 3797,3220 3797,2964 3682,2964 3682,3147 3643,3186
  region net 5V: 3733,3430 3733,3254 3699,3220 3643,3220 3643,3183 3641,3181 3643,3179 3796,3179 3796,3428 3794,3430
  text "冯振邦" at 4028.91,5490.97 h100
  text "黄鹏坤" at 4029,5389.48 h100
  text "黄荣寸" at 4029,5285.97 h100
  text "秦   柯" at 4029,5179.48 h100
  text "李家健" at 4029,5075 h100
  text "冯振邦" at 4050.91,2744.97 h100
  text "黄鹏坤" at 4051,2643.48 h100
  text "黄荣寸" at 4051,2539.97 h100
  text "秦   柯" at 4051,2433.48 h100
  text "李家健" at 4051,2329 h100
Bottom Layer:
  region: 3441,6185 3441,6099 3596,6099 3601,6104 3601,6357 3537,6421 2613,6421 2609,6417 2609,6383 3502,6383 3548,6337 3548,6185
  region: 4316,5336 4482,5336 4482,5335 4505,5312 4505,5241 4479,5241 4425,5295 4319,5295 4316,5298
  region: 4291,6098 4506,6098 4539,6065 4539,5932 4518,5911 4353,5911 4353,5822 4348,5817 4349,5816 4599,5816 4650,5867 4650,6172 4650,6294 4577,6294 4577,6193 4317,6193 4291,6167
  region: 4504,6304 4259,6304 4206,6251 4206,6014 4224,5996 4267,5996 4267,6192 4290,6215 4504,6215
  region: 4226,5727.47 4226,5371 4258,5339 4257,5338 4257,5318 4226,5318 4188,5356 4188,5730
  region: 4288,6027 4288,5808 4289,5807 4249,5767 4249,5466 4273,5442 4415,5442 4415,5464 4409,5470 4353,5470 4353,6026 4354,6027
  region: 4265,5966 4111,5966 4111,5710 4226,5710 4226,5893 4265,5932
  region: 4175,6176 4175,6000 4209,5966 4265,5966 4265,5929 4267,5927 4265,5925 4112,5925 4112,6174 4114,6176
  region: 4197,3430 4197,3254 4231,3220 4287,3220 4287,3183 4289,3181 4287,3179 4134,3179 4134,3428 4136,3430
  region: 4287,3220 4133,3220 4133,2964 4248,2964 4248,3147 4287,3186
  region: 4310,3281 4310,3062 4311,3061 4271,3021 4271,2720 4295,2696 4437,2696 4437,2718 4431,2724 4375,2724 4375,3280 4376,3281
  region: 4248,2981.47 4248,2625 4280,2593 4279,2592 4279,2572 4248,2572 4210,2610 4210,2984
  region: 4526,3558 4281,3558 4228,3505 4228,3268 4246,3250 4289,3250 4289,3446 4312,3469 4526,3469
  region: 4313,3352 4528,3352 4561,3319 4561,3186 4540,3165 4375,3165 4375,3076 4370,3071 4371,3070 4621,3070 4672,3121 4672,3426 4672,3548 4599,3548 4599,3447 4339,3447 4313,3421
  region: 4338,2590 4504,2590 4504,2589 4527,2566 4527,2495 4501,2495 4447,2549 4341,2549 4338,2552
  region net GND: 3463,3439 3463,3353 3618,3353 3623,3358 3623,3611 3559,3675 2635,3675 2631,3671 2631,3637 3524,3637 3570,3591 3570,3439
  text "冯振邦" at 3857.09,5490.97 h100
  text "黄鹏坤" at 3857,5389.48 h100
  text "黄荣寸" at 3857,5285.97 h100
  text "秦   柯" at 3857,5179.48 h100
  text "李家健" at 3857,5075 h100
  text "冯振邦" at 3879.09,2744.97 h100
  text "黄鹏坤" at 3879,2643.48 h100
  text "黄荣寸" at 3879,2539.97 h100
  text "秦   柯" at 3879,2433.48 h100
  text "李家健" at 3879,2329 h100